# Altium PCB ac_rc_unit_VER1.PcbDoc (part 2 of 2)
Units mm, origin at the board's own origin, x right, y up, seen from the top; angles counter-clockwise.
Board outline 100 x 100 mm, 4 copper layers (L1, L2, L3, L4), stack 1.525 mm thick; 123 components, 90 nets, 447 pads, 211 vias.
Unrouted connection lines stored in the file: 92.
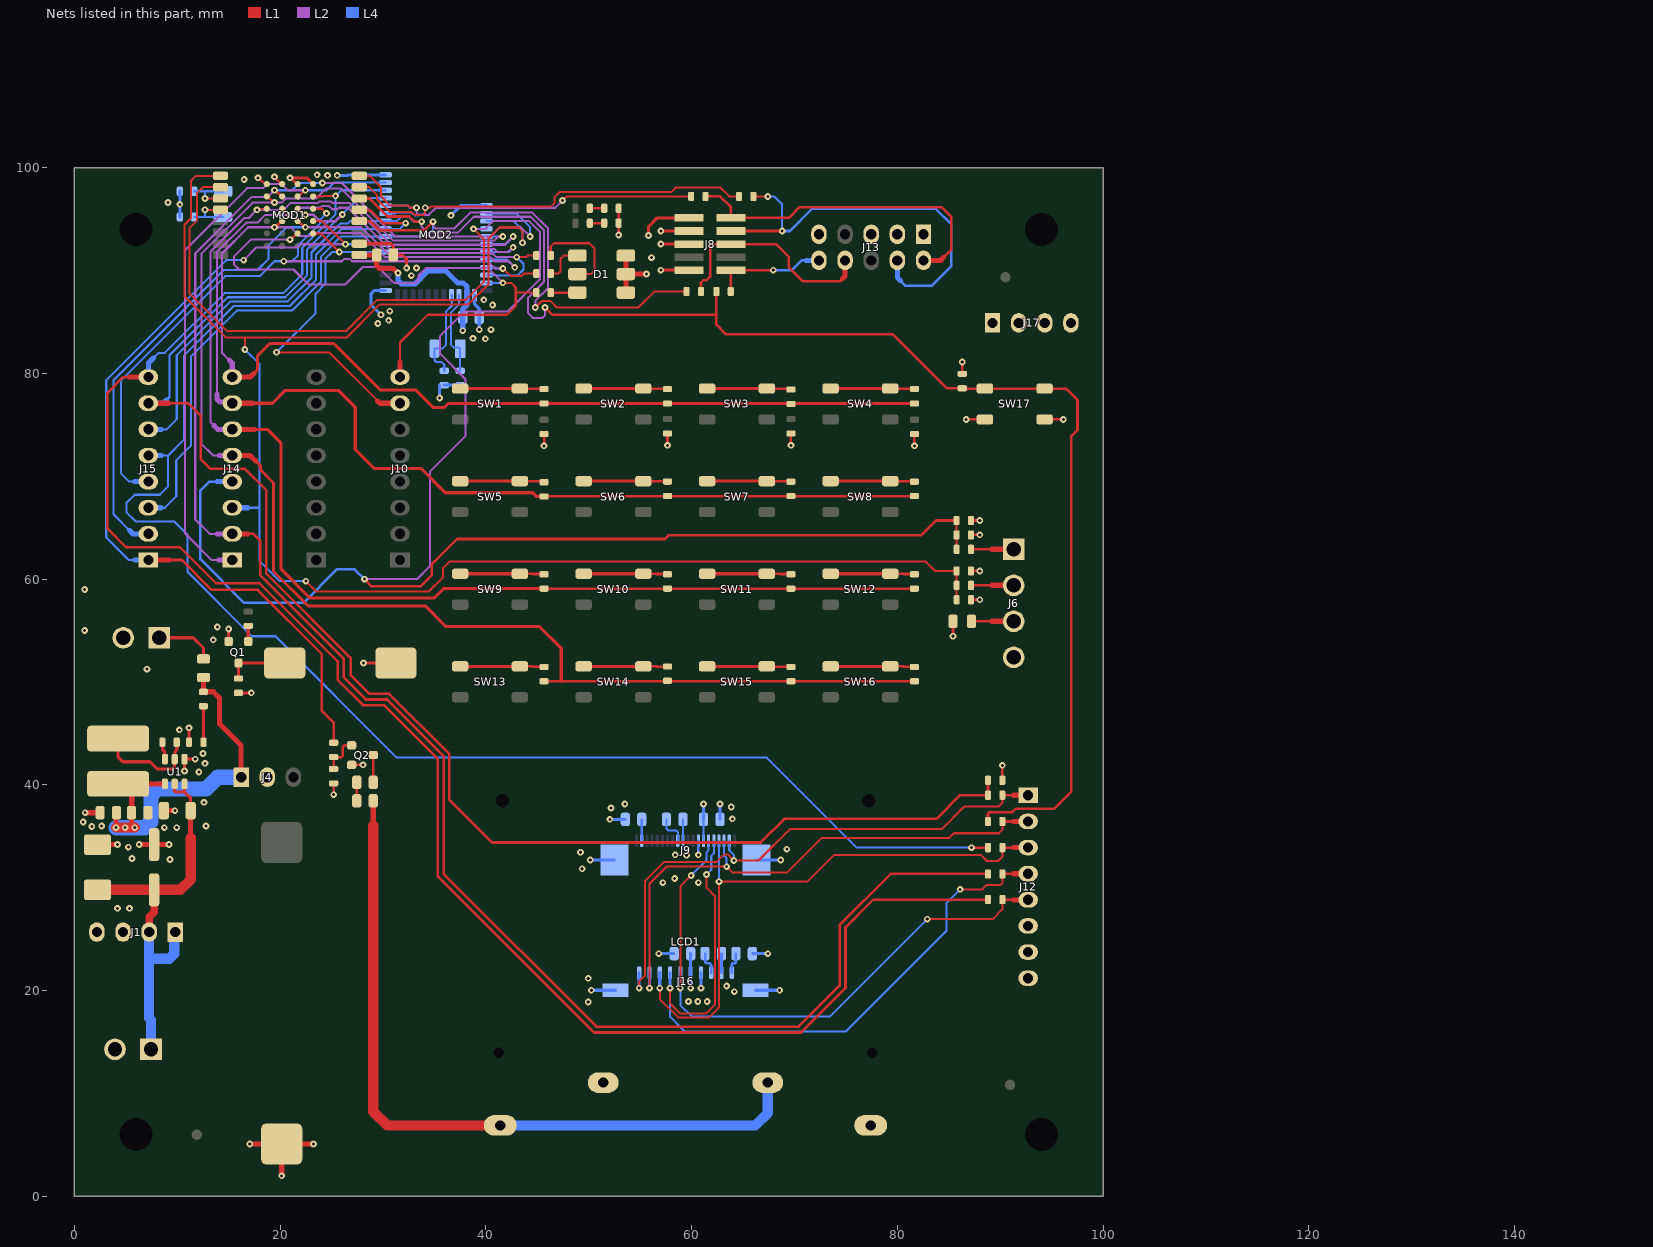
[diagram p4: the nets of this part, all layers, seen from the top]

## Via types
v1: diameter 0.65, hole 0.3, L1 to L4, 211 vias

## Nets (pads, with @x,y where several pads share a name; then routed paths per layer and width w, separated by ;. In a path a pad name is that pad's centre, name@x,y a point inside that pad or via, vN(x,y) a via of type N, cw(c..) or ccw(c..) an arc to the next point about the centre after c; other vN are vias at no path point) (continued)
BLE_P0.14: J10.7 MOD1.D4 MOD2.11 | length 34.5
  L1 w0.2: v1(19.65,82.05) 24.75,82.05 29.474,77.326 ; MOD1.D4@23.2,93.6 23.95,93.6 v1(25.75,91.8)
  L1 w0.5: 29.474,77.326 29.7,77.1 J10.7@31.65,77.1
  L4 w0.2: v1(19.65,82.05) 23.45,85.85 23.45,87.75 24.4,88.7 24.4,91.15 25.05,91.8 v1(25.75,91.8) MOD2.11@30.25,91.8
BLE_P0.15/RGB_R: J10.8 MOD1.C4 MOD2.29 R1.1 | length 60.5
  L1 w0.2: 31.65,81.108 31.65,83 34.35,85.7 42.05,85.7 42.9,86.55 42.9,87.818 ; v1(41.65,88.8) 42.45,88.8 42.9,88.35 42.9,87.818 ; R1.1@44.9,87.85 42.932,87.85 42.9,87.818
  L1 w0.25: v1(20.95,93) MOD1.C4@21.7,93.6
  L1 w0.5: J10.8@31.65,79.64 31.65,81.108
  L2 w0.2: v1(20.95,93) 17.15,93 15.5,91.35 15.5,90.6 16,90.1 21.3,90.1 22.75,88.65 26.35,88.65 28.05,90.35 29.5,90.35 31.05,88.8 33.184,88.8 33.45,89.066 33.45,89.516 34.159,90.225 40.225,90.225 v1(41.65,88.8)
  L4 w0.2: MOD2.29@40.05,88.8 v1(41.65,88.8)
BLE_P0.16/LCD_BKL: J15.1 MOD1.D3 MOD2.10 R33.2 | length 86.7
  L1 w0.2: MOD1.D3@23.2,94.8 24.1,94.8 v1(26.35,92.55)
  L1 w0.25: 9.229,61.86 10.44,61.86 13.35,58.95 17.8,58.95 24.05,52.7 24.05,47.2 25.2,46.05 R33.2@25.2,44.1
  L1 w0.5: J15.1@7.2,61.86 9.229,61.86
  L2 w0.2: v1(16.45,91) 17.7,92.25 21.7,92.25 22,92.55 v1(26.35,92.55)
  L4 w0.2: 5.828,61.86 5.29,61.86 3.1,64.05 3.1,79.35 14.75,91 v1(16.45,91) ; v1(26.35,92.55) MOD2.10@30.25,92.55
  L4 w0.5: 5.828,61.86 J15.1@7.2,61.86
BLE_P0.17/RGB_G: J15.2 MOD1.C3 MOD2.30 R6.1 | length 72.8
  L1 w0.2: v1(43,91.3) 43.9,91.3 44.05,91.45 R6.1@44.9,91.45
  L1 w0.25: MOD1.C3@21.7,94.8 v1(22.45,94.2)
  L2 w0.2: v1(22.45,94.2) 27.9,94.2 30.4,91.7 40.6,91.7 41,91.3 v1(43,91.3)
  L4 w0.2: 5.386,64.714 3.8,66.3 3.8,79.35 14.5,90.05 17.8,90.05 18.85,91.1 18.85,92.4 20.65,94.2 v1(22.45,94.2) ; MOD2.30@40.05,89.55 41,89.55 41.05,89.5 43.05,89.5 43.65,90.1 43.65,90.65 v1(43,91.3)
  L4 w0.5: 5.386,64.714 5.7,64.4 J15.2@7.2,64.4
BLE_P0.18/SWO: J15.3 MOD1.12 MOD2.9 R17.1 | length 93.1
  L1 w0.2: v1(44.8,86.4) 45.45,87.05 46.25,87.05 46.9,86.4 54.8,86.4 56.35,87.95 R17.1@59.5,87.95
  L1 w0.25: MOD1.12@27.7,94.8 28.75,94.8 29.65,93.9 34,93.9 v1(34.85,94.75)
  L2 w0.2: v1(34.85,94.75) 34.892,94.708 34.892,94.308 35.1,94.1 36.95,94.1 38.475,95.625 44.506,95.625 46.05,94.081 46.05,88.3 44.8,87.05 v1(44.8,86.4)
  L4 w0.2: 8.395,66.94 8.79,66.94 9.9,68.05 9.9,71.55 11.35,73 11.35,81.65 15.8,86.1 21.15,86.1 23.95,88.9 23.95,91.35 25.9,93.3 MOD2.9@30.25,93.3 34.25,93.3 34.85,93.9 v1(34.85,94.75)
  L4 w0.5: J15.3@7.2,66.94 8.395,66.94
BLE_P0.19/RGB_B: J15.4 MOD1.D2 MOD2.31 R7.1 | length 68
  L1 w0.2: MOD1.D2@23.2,96 24.05,96 v1(24.5,95.55) ; v1(41.65,90.2) 42.404,89.446 43.446,89.446 43.7,89.7 R7.1@44.9,89.7
  L2 w0.2: v1(20.35,90.9) 26,90.9 26.2,91.1 26.8,91.1 27,90.9 40.15,90.9 40.85,90.2 v1(41.65,90.2)
  L4 w0.2: 5.842,69.48 5.32,69.48 4.55,70.25 4.55,79.35 14.65,89.45 18,89.45 19.45,90.9 v1(20.35,90.9) 21.15,90.9 21.75,91.5 21.75,92.45 23.9,94.6 23.9,94.95 v1(24.5,95.55) ; MOD2.31@40.05,90.3 40.9,90.3 41,90.2 v1(41.65,90.2)
  L4 w0.5: 5.842,69.48 J15.4@7.2,69.48
BLE_P0.20/LCD_A0: J15.5 MOD1.13 MOD2.8 R24.1 | length 153.6
  L1 w0.25: MOD1.13@27.7,95.9 27.729,95.871 28.729,95.871 30,94.6 v1(32.2,94.6) ; v1(87.2,33.9) R24.1@88.8,33.9
  L4 w0.2: 8.483,72.02 9.12,72.02 ; v1(32.2,94.6) 31.65,94.05 MOD2.8@30.25,94.05 26,94.05 23.5,91.55 23.5,89.1 20.95,86.55 15.5,86.55 10.65,81.7 10.65,73.55 9.12,72.02 ; v1(87.2,33.9) 76.05,33.9 67.3,42.65 31.35,42.65 19.55,54.45 17.25,54.45 11,60.7 11,64.3 9.7,65.6 5.95,65.6 5.05,66.5 5.05,67.4 5.85,68.2 8.3,68.2 9.12,69.02 9.12,72.02
  L4 w0.5: J15.5@7.2,72.02 8.483,72.02
BLE_P0.21/nRESET: J15.6 MOD1.14 MOD2.7 R18.1 R23.1 R30.1 SW17.3 SW17.4 | length 178.9
  L1 w0.25: MOD1.14@27.7,97 28.7,97 30.45,95.25 32.55,95.25 33.05,94.75 v1(33.75,94.75) ; v1(45.75,86.4) 46.469,85.681 62.4,85.681 ; R18.1@62.4,87.95 62.4,85.681 ; R23.1@88.8,36.45 88.8,37.2 88.95,37.35 91.15,37.35 91.5,37.7 95.25,37.7 96.9,39.35 96.9,73.9 97.5,74.5 97.5,77.4 96.376,78.524 SW17.3@94.3,78.524 SW17.4@88.5,78.524 86.326,78.524 R30.1@86.3,78.55 84.8,78.55 79.55,83.8 63.35,83.8 62.4,84.75 62.4,85.681
  L2 w0.2: v1(33.75,94.75) 33.75,94.25 34.3,93.7 37.3,93.7 38.825,95.225 44.341,95.225 45.65,93.916 45.65,88.9 44.1,87.35 44.1,85.85 44.55,85.4 45.5,85.4 45.75,85.65 v1(45.75,86.4)
  L4 w0.2: 8.451,74.56 8.96,74.56 9.95,75.55 9.95,81.75 15.2,87 20.75,87 23.05,89.3 23.05,91.75 25.85,94.55 26.55,94.55 26.8,94.8 MOD2.7@30.25,94.8 31.35,94.8 31.775,95.225 32.525,95.225 33,94.75 v1(33.75,94.75)
  L4 w0.5: J15.6@7.2,74.56 8.451,74.56
BLE_P0.22/LCD_nCS: J15.7 MOD1.C2 MOD2.4 R20.1 R21.1 | length 153.6
  L1 w0.25: 9.125,77.1 11.05,77.1 12.3,75.85 12.3,71.65 13.2,70.75 16.55,70.75 18.65,68.65 18.65,60.55 26.85,52.35 26.85,50.7 28.7,48.85 30.6,48.85 36.45,43 36.45,38.55 40.6,34.4 66.7,34.4 69,36.7 83.8,36.7 86.1,39 R21.1@88.8,39 R20.1@88.8,40.45 ; MOD1.C2@21.7,96 v1(22.45,95.4)
  L1 w0.5: J15.7@7.2,77.1 9.125,77.1
  L2 w0.25: v1(22.45,95.4) 23.25,95.4 23.85,94.8 25.4,94.8 v1(26.05,95.45)
  L4 w0.2: 8.95,77.4 9.25,77.7 9.25,81.75 14.9,87.4 20.5,87.4 22.6,89.5 22.6,92 v1(26.05,95.45) 27.65,97.05 MOD2.4@30.25,97.05
  L4 w0.5: J15.7@7.2,77.1 8.65,77.1 8.95,77.4
BLE_P0.23/MOSI: J15.8 MOD1.D1 MOD2.3 R26.1 | length 176.4
  L1 w0.2: MOD1.D1@23.2,97.2 24.15,97.2 24.2,97.25 v1(25.4,97.25)
  L1 w0.25: 5.328,79.64 4.74,79.64 3.2,78.1 3.2,64.9 5,63.1 10.25,63.1 13.75,59.6 18,59.6 25.6,52 25.6,50.2 28.05,47.75 30.1,47.75 35.3,42.55 35.3,31.15 50.516,15.934 70.634,15.934 74.95,20.25 74.95,26.15 77.65,28.85 R26.1@88.8,28.85
  L1 w0.5: 5.328,79.64 J15.8@7.2,79.64
  L4 w0.2: 7.7,81.5 8.2,82 8.8,82 14.6,87.8 20.3,87.8 22.15,89.65 22.15,92.2 25.4,95.45 v1(25.4,97.25) 25.95,97.8 MOD2.3@30.25,97.8
  L4 w0.5: J15.8@7.2,79.64 7.2,81 7.7,81.5
BLE_P0.24/MISO: J14.1 MOD1.C1 MOD2.2 | length 56.9
  L1 w0.2: MOD1.C1@21.7,97.2 v1(22.45,97.8)
  L2 w0.2: 14,61.85 13.35,61.85 10.75,64.45 10.75,91.95 16.8,98 18.35,98 18.775,98.425 20.125,98.425 20.75,97.8 v1(22.45,97.8)
  L2 w0.5: 14,61.85 15.34,61.85 J14.1@15.35,61.86
  L4 w0.2: v1(22.45,97.8) 24.5,97.8 25.25,98.55 MOD2.2@30.25,98.55
BLE_P0.25/SCLK: J14.2 MOD1.B1 MOD2.38 R25.1 | length 187.6
  L1 w0.25: 16.892,64.4 17.4,64.4 18.05,63.75 18.05,60.4 26.2,52.25 26.2,50.45 28.35,48.3 30.4,48.3 35.9,42.8 35.9,31.35 50.75,16.5 70.4,16.5 74.384,20.484 74.384,26.384 79.35,31.35 R25.1@88.8,31.35 ; v1(19.45,97.8) MOD1.B1@20.2,97.2
  L1 w0.5: J14.2@15.35,64.4 16.892,64.4
  L2 w0.2: 13.85,64.4 13.15,64.4 11.75,65.8 11.75,91.65 17.25,97.15 18.8,97.15 v1(19.45,97.8) ; v1(24.1,98.5) 26,98.5 31.2,93.3 40.45,93.3 41.35,94.2 43.4,94.2 v1(44.3,93.3)
  L2 w0.5: 13.85,64.4 J14.2@15.35,64.4
  L4 w0.2: v1(19.45,97.8) 21.15,97.8 21.85,98.5 v1(24.1,98.5) ; MOD2.38@40.05,95.55 42.95,95.55 44.3,94.2 v1(44.3,93.3)
BLE_P0.26/SDA: C9.2 J14.3 MOD1.1 MOD2.37 R11.1 R13.2 | length 161.3
  L1 w0.2: MOD1.1@14.2,99.2 11.8,99.2 11.35,98.75 11.35,95.1 10.7,94.45 10.7,87.5 14.7,83.5 16.597,83.5 ; v1(16.575,82.325) 16.575,83.478 16.597,83.5 ; v1(22.5,59.8) 23.5,58.8 34.45,58.8 35.85,60.2 35.85,61.1 36.45,61.7 82.75,61.7 83.65,60.8 C9.2@85.75,60.8 R13.2@85.75,59.4 R11.1@85.75,58 ; v1(43.55,92.7) 43.55,93.8 43.15,94.2 41.35,94.2 40.25,93.1 40.25,88.65 38.3,86.7 29.7,86.7 26.5,83.5 16.597,83.5
  L4 w0.2: v1(16.575,82.325) 18,80.9 18,66.94 ; 16.883,66.94 18,66.94 ; v1(22.5,59.8) 19.95,59.8 18,61.75 18,66.94 ; MOD2.37@40.05,94.8 42.7,94.8 43.55,93.95 v1(43.55,92.7)
  L4 w0.5: J14.3@15.35,66.94 16.883,66.94
BLE_P0.27/SCL: C8.2 J14.4 MOD1.2 MOD2.36 R10.1 R12.2 | length 200.5
  L1 w0.2: MOD1.2@14.2,98.1 12.5,98.1 11.9,97.5 11.9,94.85 11.2,94.15 11.2,87.75 14.85,84.1 26.4,84.1 29.45,87.15 38.05,87.15 39.8,88.9 39.8,93.05 v1(38.8,94.05) ; R12.2@85.75,62.9 C8.2@85.75,64.3 R10.1@85.75,65.7
  L1 w0.25: v1(28.2,60) 28.9,59.3 33.65,59.3 34.75,60.4 34.75,61.45 37.2,63.9 57.4,63.9 57.75,64.25 82.3,64.25 83.75,65.7 R10.1@85.75,65.7
  L2 w0.2: v1(28.2,60) 33.3,60 34.55,61.25 34.55,70.45 38,73.9 38,79.45 35.55,81.9 35.55,83.65 37.9,86 42.1,86 45.25,89.15 45.25,93.75 44.175,94.825 40.725,94.825 39.95,94.05 v1(38.8,94.05)
  L4 w0.2: v1(38.8,94.05) 39.45,94.05 MOD2.36@40.05,94.05
  L4 w0.25: 13.871,69.48 13.13,69.48 12.25,68.6 12.25,61.95 16.5,57.7 22.25,57.7 25.5,60.95 27.25,60.95 v1(28.2,60)
  L4 w0.5: 13.871,69.48 J14.4@15.35,69.48
BLE_P0.28/ROW0: D16.1 D17.1 D18.1 D19.1 J14.5 MOD1.A1 MOD2.35 | length 142.9
  L1 w0.25: MOD1.A1@18.7,97.2 v1(19.45,96.6) ; D16.1@45.65,50.074 47.319,50.074 D18.1@69.65,50.074 D19.1@81.65,50.074
  L1 w0.3: 17.59,71.51 18.1,71 18.1,70.6 19.35,69.35 19.35,60.75 22.7,57.4 34.1,57.4 36.1,55.4 45.2,55.4 47.319,53.281 47.319,50.074
  L1 w0.5: J14.5@15.35,72.02 17.08,72.02 17.59,71.51
  L2 w0.2: 14.066,72.02 13.48,72.02 12.35,73.15 12.35,91.616 17.334,96.6 v1(19.45,96.6) 20.15,96.6 20.55,97 23.5,97 24.45,97.95 25.95,97.95 31,92.9 40.8,92.9 41.2,93.3 v1(41.65,93.3)
  L2 w0.5: 14.066,72.02 J14.5@15.35,72.02
  L4 w0.2: MOD2.35@40.05,93.3 v1(41.65,93.3)
BLE_P0.29/ROW1: D12.1 D13.1 D14.1 D15.1 J14.6 MOD1.A2 MOD2.34 | length 137
  L1 w0.25: v1(17.745,95.894) MOD1.A2@18.7,96 ; D12.1@45.65,59.074 D13.1@57.65,59.074 D14.1@69.65,59.074 D15.1@81.65,59.074
  L1 w0.3: 17.491,74.56 18.74,74.56 20.1,73.2 20.1,60.95 22.9,58.15 34.95,58.15 35.874,59.074 D12.1@45.65,59.074
  L1 w0.5: J14.6@15.35,74.56 17.491,74.56
  L2 w0.2: 13.595,74.905 13.25,75.25 13.25,91.85 16.5,95.1 16.951,95.1 v1(17.745,95.894) 17.751,95.9 20.35,95.9 21,96.55 23.65,96.55 23.8,96.7 24.95,96.7 25.1,96.55 26.75,96.55 30.8,92.5 41.85,92.5 v1(42.65,93.3)
  L2 w0.5: 13.595,74.905 13.94,74.56 J14.6@15.35,74.56
  L4 w0.2: MOD2.34@40.05,92.55 41.9,92.55 v1(42.65,93.3)
BLE_P0.30/ROW2: D8.1 D9.1 D10.1 D11.1 J14.7 MOD1.B2 MOD2.33 | length 126
  L1 w0.25: MOD1.B2@20.2,96 v1(20.95,95.4) ; D8.1@45.65,68.024 45.7,68.074 D9.1@57.65,68.074 D10.1@69.65,68.074 D11.1@81.65,68.074
  L1 w0.3: 17.3,77.1 19.25,77.1 20.5,78.35 25.65,78.35 27.3,76.7 27.3,72.6 29.15,70.75 33.7,70.75 36.05,68.4 44.55,68.4 44.926,68.024 D8.1@45.65,68.024
  L1 w0.5: J14.7@15.35,77.1 17.3,77.1
  L2 w0.2: 13.85,77.976 13.85,91.8 16.7,94.65 17.8,94.65 18.55,95.4 v1(20.95,95.4) 21.65,96.1 23.9,96.1 24.05,96.25 24.75,96.25 25.05,95.95 25.55,95.95 25.7,96.1 26.6,96.1 30.6,92.1 40.8,92.1 41.1,91.8 42.2,91.8 v1(42.65,92.25)
  L2 w0.5: 13.85,77.976 13.85,77.5 14.139,77.211 15.239,77.211 J14.7@15.35,77.1
  L4 w0.2: MOD2.33@40.05,91.8 42.2,91.8 v1(42.65,92.25)
BLE_P0.31/ROW3: D2.1 D3.1 D4.1 D5.1 J14.8 MOD1.B3 MOD2.32 | length 119.2
  L1 w0.25: v1(19.45,94.2) MOD1.B3@20.2,94.8 ; D2.1@45.65,77.074 45.8,77.074 45.953,77.226 45.953,77.094 45.973,77.074 D3.1@57.65,77.074 D5.1@81.65,77.074
  L1 w0.3: 17.445,79.995 17.8,80.35 17.8,81.7 19,82.9 25.2,82.9 29.7,78.4 33.15,78.4 34.85,76.7 35.976,76.7 36.35,77.074 D2.1@45.65,77.074
  L1 w0.5: J14.8@15.35,79.64 17.09,79.64 17.445,79.995
  L2 w0.2: 15.071,81.279 14.35,82 14.35,91.65 16.9,94.2 v1(19.45,94.2) 21.05,94.2 21.9,93.35 22.9,93.35 23.2,93.65 27.85,93.65 30.2,91.3 40.4,91.3 40.8,90.9 42.2,90.9 v1(42.8,90.3)
  L2 w0.5: 15.071,81.279 15.35,81 J14.8@15.35,79.64
  L4 w0.2: MOD2.32@40.05,91.05 42.05,91.05 v1(42.8,90.3)
GND: BAT1.1 C1.1 C3.1 C4.1 C5.1 C6.2 C7.2 C8.1 C9.1 C11.2 C12.1 C13.1 C14.1 C16.2 C17.1 C18.1 C19.1 D21.2 J1.3 J1.4 J2.2 J5.2 J6.4 J8.3 J8.5 J8.9 J9.0 J9.8 J12.6 J12.8 J13.3 J13.5 J13.9 J16.0 J16.7 J17.3 J17.4 MOD1.10 MOD1.A0 MOD1.B0 MOD1.C0 MOD1.D0 MOD2.1 MOD2.16 MOD2.27 MOD2.39 Q1.2 Q2.2 R14.2 SW17.1 SW17.2 U1.4 | length 87.7
  L1 w0.25: v1(17.85,99) MOD1.A0@18.6,98.4 ; v1@19.45,99 MOD1.B0@20.2,98.4 ; v1(20.95,99) MOD1.C0@21.7,98.4 ; Q2.2@26.95,41.95 v1(28.05,41.95) ; v1(86.676,75.524) SW17.2@88.5,75.524 ; C9.1@87.15,60.8 v1(88,60.8) ; C8.1@87.15,64.3 v1(88,64.3) ; SW17.1@94.3,75.524 v1(96.124,75.524)
  L1 w0.3: v1(10.7,41.35) U1.4@10.7,42.5 v1(11.75,42.5) ; R14.2@11.15,44.15 v1(11.15,45.55) ; Q1.2@15,53.95 v1(15,55.15) ; v1(20.95,99) 22.6,99 MOD1.D0@23.2,98.4 ; MOD1.10@27.75,92.6 30.75,92.6 31,92.35 C1.1@31,91.5 31.9,91.5 32.3,91.1 v1(32.3,90.25) ; v1@57,90.04 57.01,90.03 J8.9@59.75,90.03 ; v1@57,92.58 57.01,92.57 J8.5@59.75,92.57 ; v1@57,93.85 57.01,93.84 J8.3@59.75,93.84
  L1 w0.5: v1(1.05,37.3) C7.2@2.5,37.3 ; D21.2@2.25,34.2 v1(4.2,34.2) ; v1(6.3,34.2) C4.1@7.75,34.2 v1(9.2,34.2) ; C5.1@8.7,37.5 v1(9.767,37.5) ; v1(17.05,5.1) BAT1.1@20.15,5.1 ; v1(20.15,2) BAT1.1@20.15,5.1 ; v1(23.25,5.1) BAT1.1@20.15,5.1
  L4 w0.25: v1(60.65,33.2) J9.8@60.65,34.565
  L4 w0.3: C13.1@10.25,95.2 10.25,95.65 C12.1@10.25,97.7 ; v1(25.55,99.25) 26.607,99.25 26.65,99.293 MOD2.1@30.25,99.293 ; v1(29.8,85.7) 28.85,86.65 28.85,87.75 29.15,88.05 MOD2.16@30.25,88.05 ; v1(35.5,77.6) 35.5,78.85 ; C19.1@35.95,78.85 C18.1@37.5,78.85 ; v1@36.613,95.363 37.55,96.3 MOD2.39@40.05,96.3 ; MOD2.27@38.9,87.6 38.9,86.726 39.35,86.276 C3.1@39.35,85.45 v1(39.35,84.25) ; v1(50.145,32.705) J9.0@52.5,32.705 ; v1(50.245,20.04) J16.0@52.6,20.04 ; v1(52.05,36.65) C11.2@53.55,36.65 ; v1(56.8,23.6) C17.1@58.3,23.6 ; v1(60.9,20.25) J16.7@60.9,21.75 ; C14.1@62.75,36.65 v1(62.75,38.15) ; C16.2@65.9,23.6 v1(67.4,23.6) ; J16.0@66.2,20.04 v1(68.555,20.04) ; J9.0@66.3,32.705 v1(68.655,32.705)
  other v1: 49.95,18.9 59.7,18.95 60.6,18.95 61.5,18.95 64.15,19.9 63.4,20.45 49.95,21.2 4.2,28 5.35,28 57.2,30.5 60.65,30.5 58.35,30.9 49.35,31.85 9.3,32.75 5.6,32.85 59.5,33.15 58.4,33.2 49.2,33.45 69.25,33.75 5.25,33.95 8.75,35.85 9.95,35.85 1.7,35.95 2.65,36 12.8,36 0.85,36.4 63.95,36.7 52.15,37.75 63.85,37.85 53.5,38.15 12.6,38.3 12.1,41.25 12.7,42.1 12.5,43.05 10.2,45.35 7.05,51.25 13.5,54.1 1,55 13.9,55.35 1,59 39.95,83.35 38.75,83.4 40.5,84.25 29.5,84.85 30.55,85.15 30.65,86.05 40.65,86.65 39.8,87.15 32.75,89.5 57.005,90.035 33.25,90.25 56.1,91.25 57.005,92.575 57.005,93.845 36.613,95.355 10.25,96.426 9.1,96.6 16.5,98.85 19.45,99.1 24.6,99.25 23.6,99.3
LCD_A0: J9.4 J12.3 J16.3 R24.2 | length 58.1
  L1 w0.2: v1(56.9,20.25) 56.9,19.184 58.684,17.4 61.7,17.4 62.65,18.35 v1(62.65,30.601) 71.251,30.601 73.85,33.2 88.1,33.2 88.7,32.6 89.8,32.6 90.2,33 R24.2@90.2,33.9
  L1 w0.25: R24.2@90.2,33.9 91.3,33.9
  L1 w0.5: 91.3,33.9 91.31,33.91 J12.3@92.7,33.91
  L4 w0.2: v1(62.65,30.601) J9.4@62.65,34.565
  L4 w0.3: v1(56.9,20.25) J16.3@56.9,21.75
LCD_nCS: J9.2 J12.1 J16.1 R21.2 | length 56
  L1 w0.2: v1(54.9,20.25) 54.9,20.9 55.45,21.45 55.45,30.65 57.3,32.5 62.4,32.5 63.15,33.25 63.5,33.25 v1(64.1,32.65) 66.5,32.65 69.55,35.7 84.3,35.7 86.5,37.9 89.85,37.9 90.2,38.25 R21.2@90.2,39 90.22,38.98 R21.2@90.317,38.883
  L1 w0.25: R21.2@90.22,38.98 91.3,38.98
  L1 w0.5: 91.3,38.98 91.31,38.99 J12.1@92.7,38.99
  L4 w0.2: J9.2@63.65,34.565 63.65,33.65 64.1,33.2 v1(64.1,32.65)
  L4 w0.3: v1(54.9,20.25) J16.1@54.9,21.75
LCD_nRES: J9.3 J12.2 J16.2 R23.2 | length 54.5
  L1 w0.2: v1(55.9,20.25) 55.9,30.4 57.55,32.05 v1(63.4,32.05) 63.95,31.5 69.3,31.5 72.65,34.85 85.05,34.85 85.5,35.3 89.85,35.3 90.2,35.65 90.2,36.44 R23.2@90.2,36.45
  L1 w0.25: R23.2@90.2,36.44 91.3,36.44
  L1 w0.5: 91.3,36.44 91.31,36.45 J12.2@92.7,36.45
  L4 w0.2: J9.3@63.15,34.565 63.15,33.1 63.4,32.85 v1(63.4,32.05)
  L4 w0.3: v1(55.9,20.25) J16.2@55.9,21.75
LCD_SCL: J9.5 J12.4 J16.4 R25.2 | length 71.3
  L1 w0.2: v1(57.9,20.25) 57.9,18.75 58.85,17.8 61.4,17.8 62.25,18.65 62.25,29.2 61.45,30 v1(61.45,31.3) ; v1(86.1,29.85) 88.25,29.85 88.65,30.25 90,30.25 90.2,30.45 R25.2@90.2,31.35
  L1 w0.25: R25.2@90.2,31.36 91.3,31.36
  L1 w0.5: 91.3,31.36 91.31,31.37 J12.4@92.7,31.37
  L4 w0.2: v1(57.9,20.25) 57.9,17.45 59.3,16.05 75,16.05 84.75,25.8 84.75,28.5 v1(86.1,29.85) ; v1(61.45,31.3) 61.9,31.75 61.9,33.1 62.15,33.35 J9.5@62.15,34.565
  L4 w0.3: v1(57.9,20.25) J16.4@57.9,21.75
LCD_SDA: J9.6 J12.5 J16.5 R26.2 | length 58.1
  L1 w0.2: v1(58.9,20.25) 58.9,30.15 v1(59.95,31.2) ; v1(82.9,26.95) 89.25,26.95 90.2,27.9 90.2,28.82 R26.2@90.2,28.85
  L1 w0.25: R26.2@90.2,28.82 91.3,28.82
  L1 w0.5: 91.3,28.82 91.31,28.83 J12.5@92.7,28.83
  L4 w0.2: v1(58.9,20.25) 58.9,18.6 60,17.5 73.45,17.5 v1(82.9,26.95) ; v1(59.95,31.2) 61.45,32.7 61.45,33.45 61.65,33.65 J9.6@61.65,34.565
  L4 w0.3: v1(58.9,20.25) J16.5@58.9,21.75
NetBUZ1_1: BUZ1.1 D22.2 Q1.3 | length 6
  L1 w0.3: D22.2@15.95,50.35 Q1.3@15.95,51.85 BUZ1.1@20.45,51.85
NetC2_1: C2.1 L1.1 U1.5 | length 10.3
  L1 w0.3: L1.1@4.25,44.5 4.25,42.7 4.7,42.25 7.35,42.25 8.05,41.55 9.55,41.55 9.75,41.75 U1.5@9.75,42.5 9.774,42.524 9.774,43.224 9.95,43.4 C2.1@9.95,44.15
NetC2_2: C2.2 U1.6 | length 1.8
  L1 w0.3: C2.2@8.55,44.15 8.55,43.45 8.776,43.224 8.776,42.524 U1.6@8.8,42.5
NetC10_1: C10.1 J9.12 | length 3
  L4 w0.2: C10.1@57.55,36.65 57.55,35.75 57.75,35.55 58.5,35.55 58.65,35.4 J9.12@58.65,34.565
NetC10_2: C10.2 J9.11 | length 2.1
  L4 w0.2: J9.11@59.15,34.565 59.15,35.165 C10.2@59.15,36.65
NetC11_1: C11.1 J9.19 | length 2.1
  L4 w0.2: J9.19@55.15,34.565 C11.1@55.15,36.65
NetC15_1: C15.1 J16.8 | length 2.3
  L4 w0.25: C15.1@61.3,23.6 61.3,22.8 61.45,22.65 61.754,22.65 61.891,22.513 61.891,21.759 J16.8@61.9,21.75
NetC15_2: C15.2 J16.9 | length 1.9
  L4 w0.25: J16.9@62.9,21.75 C15.2@62.9,23.6
NetC16_1: C16.1 J16.10 | length 2.1
  L4 w0.25: J16.10@63.9,21.75 63.9,22.55 64,22.65 64.2,22.65 64.3,22.75 C16.1@64.3,23.6
NetD1_1: D1.1 R7.2 | length 4.1
  L1 w0.2: R7.2@46.3,89.7 47.05,89.7 47.25,89.9 47.25,91.15 47.55,91.45 D1.1@48.9,91.45
NetD1_2: D1.2 R6.2 | length 9.4
  L1 w0.2: R6.2@46.3,91.45 46.3,92.35 46.6,92.65 50.05,92.65 50.55,92.15 50.55,90 50.2,89.65 D1.2@48.9,89.65
NetD1_3: D1.3 R1.2 | length 2.6
  L1 w0.25: R1.2@46.3,87.85 D1.3@48.9,87.85
NetD2_2: D2.2 SW1.3 SW1.4 | length 8.2
  L1 w0.25: SW1.3@43.3,78.524 44.576,78.524 44.6,78.5 45.624,78.5 D2.2@45.65,78.474
  L1 w0.3: SW1.4@37.5,78.524 SW1.3@43.3,78.524
NetD3_2: D3.2 SW2.3 SW2.4 | length 8.2
  L1 w0.25: SW2.3@55.3,78.524 56.576,78.524 56.6,78.5 57.624,78.5 D3.2@57.65,78.474
  L1 w0.3: SW2.4@49.5,78.524 SW2.3@55.3,78.524
NetD4_2: D4.2 SW3.3 SW3.4 | length 8.2
  L1 w0.25: SW3.3@67.3,78.524 68.576,78.524 68.6,78.5 69.624,78.5 D4.2@69.65,78.474
  L1 w0.3: SW3.4@61.5,78.524 SW3.3@67.3,78.524
NetD5_2: D5.2 SW4.3 SW4.4 | length 8.2
  L1 w0.25: SW4.3@79.3,78.524 80.576,78.524 80.6,78.5 81.624,78.5 D5.2@81.65,78.474
  L1 w0.3: SW4.4@73.5,78.524 SW4.3@79.3,78.524
NetD6_1: D6.1 R8.1 | length 1.4
  L1 w0.25: R8.1@50.1,94.6 D6.1@51.5,94.6
NetD7_1: D7.1 R9.1 | length 1.4
  L1 w0.25: R9.1@50.1,96.05 D7.1@51.5,96.05
NetD8_2: D8.2 SW5.3 SW5.4 | length 8.2
  L1 w0.25: SW5.3@43.3,69.524 44.576,69.524 44.6,69.5 45.624,69.5 D8.2@45.65,69.474
  L1 w0.3: SW5.4@37.5,69.524 SW5.3@43.3,69.524
NetD9_2: D9.2 SW6.3 SW6.4 | length 8.2
  L1 w0.25: SW6.3@55.3,69.524 56.576,69.524 56.6,69.5 57.624,69.5 D9.2@57.65,69.474
  L1 w0.3: SW6.4@49.5,69.524 SW6.3@55.3,69.524
NetD10_2: D10.2 SW7.3 SW7.4 | length 8.2
  L1 w0.25: SW7.3@67.3,69.524 68.576,69.524 68.6,69.5 69.624,69.5 D10.2@69.65,69.474
  L1 w0.3: SW7.4@61.5,69.524 SW7.3@67.3,69.524
NetD11_2: D11.2 SW8.3 SW8.4 | length 8.2
  L1 w0.25: SW8.3@79.3,69.524 80.576,69.524 80.6,69.5 81.624,69.5 D11.2@81.65,69.474
  L1 w0.3: SW8.4@73.5,69.524 SW8.3@79.3,69.524
NetD12_2: D12.2 SW9.3 SW9.4 | length 8.2
  L1 w0.25: SW9.3@43.3,60.524 44.576,60.524 44.6,60.5 45.624,60.5 D12.2@45.65,60.474
  L1 w0.3: SW9.4@37.5,60.524 SW9.3@43.3,60.524
NetD13_2: D13.2 SW10.3 SW10.4 | length 8.2
  L1 w0.25: SW10.3@55.3,60.524 56.576,60.524 56.6,60.5 57.624,60.5 D13.2@57.65,60.474
  L1 w0.3: SW10.4@49.5,60.524 SW10.3@55.3,60.524
NetD14_2: D14.2 SW11.3 SW11.4 | length 8.2
  L1 w0.25: SW11.3@67.3,60.524 68.576,60.524 68.6,60.5 69.624,60.5 D14.2@69.65,60.474
  L1 w0.3: SW11.4@61.5,60.524 SW11.3@67.3,60.524
NetD15_2: D15.2 SW12.3 SW12.4 | length 8.2
  L1 w0.25: SW12.3@79.3,60.524 80.576,60.524 80.6,60.5 81.624,60.5 D15.2@81.65,60.474
  L1 w0.3: SW12.4@73.5,60.524 SW12.3@79.3,60.524
NetD16_2: D16.2 SW13.3 SW13.4 | length 8.2
  L1 w0.25: SW13.3@43.3,51.524 44.576,51.524 44.6,51.5 45.624,51.5 D16.2@45.65,51.474
  L1 w0.3: SW13.4@37.5,51.524 SW13.3@43.3,51.524
NetD17_2: D17.2 SW14.3 SW14.4 | length 8.2
  L1 w0.25: SW14.3@55.3,51.524 56.576,51.524 56.6,51.5 57.624,51.5 D17.2@57.65,51.474
  L1 w0.3: SW14.4@49.5,51.524 SW14.3@55.3,51.524
NetD18_2: D18.2 SW15.3 SW15.4 | length 8.2
  L1 w0.25: SW15.3@67.3,51.524 67.324,51.5 69.624,51.5 D18.2@69.65,51.474
  L1 w0.3: SW15.4@61.5,51.524 SW15.3@67.3,51.524
NetD19_2: D19.2 SW16.3 SW16.4 | length 8.2
  L1 w0.25: SW16.3@79.3,51.524 80.576,51.524 80.6,51.5 81.624,51.5 D19.2@81.65,51.474
  L1 w0.3: SW16.4@73.5,51.524 SW16.3@79.3,51.524
NetD20_1: D20.1 R14.1 | length 3.5
  L1 w0.3: R14.1@12.55,44.15 D20.1@12.55,47.65
NetFS1_2: FS1.2 J5.1 | length 5.8
  L1 w0.3: J5.1@8.25,54.3 11.55,54.3 12.55,53.3 FS1.2@12.55,52.25
NetFS2_2: FS2.2 J6.3 | length 4.2
  L1 w0.25: FS2.2@87.15,55.9 89.2,55.9
  L1 w0.5: 89.2,55.9 J6.3@91.3,55.9
NetJ6_1: J6.1 R12.1 | length 4.2
  L1 w0.25: R12.1@87.15,62.9 89.2,62.9
  L1 w0.5: 89.2,62.9 J6.1@91.3,62.9
NetJ6_2: J6.2 R13.1 | length 4.2
  L1 w0.25: R13.1@87.15,59.4 89.2,59.4
  L1 w0.5: 89.2,59.4 J6.2@91.3,59.4
NetJ8_2: J8.2 J13.2 R15.2 | length 32.5
  L1 w0.25: R15.2@61.35,97.2 62.75,97.2 63.8,96.15 63.8,95.124 J8.2@63.814,95.11 69.46,95.11 70.5,96.15 84.3,96.15 85.25,95.2 85.25,92.05 84.461,91.261
  L1 w0.5: J13.2@82.53,90.98 84.18,90.98 84.461,91.261
NetJ8_4: J8.4 J13.4 R16.2 | length 40.8
  L1 w0.2: R16.2@66,97.2 v1(67.4,97.2)
  L1 w0.25: J8.4@63.814,93.84 v1(68.79,93.84) ; R16.2@66,97.2 R16.2@66.021,97.179
  L4 w0.2: v1(67.4,97.2) 68,97.2 68.79,96.41 v1(68.79,93.84)
  L4 w0.25: v1(68.79,93.84) 69.54,93.84 71.7,96 83.7,96 85.25,94.45 85.25,90.45 83.3,88.5 80.8,88.5 80.27,89.03
  L4 w0.5: J13.4@79.99,90.98 79.99,89.31 80.27,89.03
NetJ8_6: J8.6 J13.8 R17.2 | length 22
  L1 w0.25: R17.2@60.9,87.95 60.9,88.8 61.15,89.05 61.45,89.05 61.8,89.4 61.8,92.4 61.97,92.57 J8.6@63.814,92.57 68.18,92.57 69.45,91.3 69.45,90.3 70.8,88.95 74.4,88.95 74.655,89.205
  L1 w0.5: 74.655,89.205 74.91,89.46 J13.8@74.91,90.98
NetJ8_10: J8.10 J13.10 R18.2 | length 11
  L1 w0.25: R18.2@63.8,87.95 63.8,88.4 63.814,88.414 J8.10@63.814,90.03 v1(67.93,90.03)
  L4 w0.25: v1(67.93,90.03) 69.73,90.03 70.68,90.98 71.124,90.98
  L4 w0.5: 71.124,90.98 J13.10@72.37,90.98
NetLCD1_K: LCD1.K LCD2.K R34.2 | length 72.6
  L1 w0.5: 29.05,36.046 R34.2@29.05,38.45
  L1 w1: 29.05,36.046 29.05,8.25 30.4,6.9 LCD2.K@41.4,6.9
  L4 w1: LCD2.K@41.4,6.9 66.2,6.9 67.4,8.1 LCD1.K@67.4,11.065
NetQ1_1: Q1.1 R27.1 | length 1.5
  L1 w0.3: Q1.1@16.9,53.95 R27.1@16.9,55.45
NetQ2_1: Q2.1 R31.1 R33.1 | length 3.9
  L1 w0.25: R31.1@25.2,41.55 R33.1@25.2,42.7 25.954,42.7 26.1,42.846 26.1,43.7 26.25,43.85 Q2.1@26.95,43.85
NetQ2_3: Q2.3 R29.2 | length 2.6
  L1 w0.25: R29.2@29.05,40.25 Q2.3@29.05,42.9
NetR29_1: R29.1 R34.1 | length 1.8
  L1 w0.25: R34.1@27.45,38.45 R29.1@27.45,40.25
P3V3: C6.1 C7.1 D20.2 FS1.1 J4.1 L1.2 U1.1 | length 40.2
  L1 w0.5: v1(4.05,35.85) 4.05,37.25 C7.1@4.1,37.3 ; L1.2@4.25,40.1 L1.2@4.679,40.1 ; v1(5.867,35.85) 5.838,35.879 5.55,35.879 C6.1@5.55,37.3 5.58,37.33 5.58,39.199 L1.2@4.679,40.1 ; U1.1@8.8,40.1 L1.2@4.679,40.1 ; FS1.1@12.55,50.45 D20.2@12.55,49.05 13.5,49.05 14.1,48.45 14.1,45.95 16.21,43.84 J4.1@16.21,40.75
  L1 w1: v1(4.05,35.85) v1(4.935,35.85) v1(5.867,35.85)
  L4 w1.5: v1(4.05,35.85) 6.864,35.85 7.45,36.436 7.45,38.95 8.1,39.6 12.8,39.6 13.95,40.75 J4.1@16.21,40.75
SWDCLK: MOD1.15 MOD2.6 R16.1 | length 44.9
  L1 w0.2: MOD1.15@27.7,98.1 28.65,98.1 29.4,97.35 29.4,96.95 30.65,95.7 32.75,95.7 33.05,95.4 33.9,95.4 34.1,95.6 v1(34.1,96.1) 34.117,96.117 34.567,96.117 34.65,96.2 46.3,96.2 46.65,96.55 46.65,97.1 47.2,97.65 58.05,97.65 58.45,98.05 62.8,98.05 63.65,97.2 R16.1@64.6,97.2
  L4 w0.2: MOD2.6@30.25,95.55 31.15,95.55 31.25,95.65 32.75,95.65 33.05,95.35 33.45,95.35 33.55,95.45 33.9,95.45 34.083,95.633 34.083,96.083 v1(34.1,96.1)
SWDIO: MOD1.16 MOD2.5 R15.1 | length 38.5
  L1 w0.2: MOD1.16@27.7,99.2 28.7,99.2 29.8,98.1 29.8,97.2 30.7,96.3 32.45,96.3 32.65,96.1 v1(33.25,96.1) ; v1(47.45,96.8) 47.85,97.2 R15.1@59.95,97.2
  L2 w0.2: v1(33.25,96.1) 33.25,95.6 33.45,95.4 34.45,95.4 35.15,96.1 46.75,96.1 v1(47.45,96.8)
  L4 w0.2: MOD2.5@30.25,96.3 32.4,96.3 32.6,96.1 v1(33.25,96.1)
VDD: BUZ1.2 C1.2 C3.2 C14.2 C17.2 D1.4 D1.5 D1.6 D6.2 D7.2 D22.1 FS2.1 J4.2 J8.1 J9.7 J12.7 J13.1 J16.6 J17.1 J17.2 LCD1.A LCD2.A MOD1.9 MOD2.26 R2.2 R3.2 R4.2 R5.2 R10.2 R11.2 R20.2 R30.2 R31.2 | length 54.3
  L1 w0.25: v1(25.2,39.05) R31.2@25.2,40.15 ; v1(28.1,51.85) BUZ1.2@31.25,51.85 ; v1(45.65,72.95) R2.2@45.65,74.1 ; v1(52.9,93.45) D6.2@52.9,94.6 D7.2@52.9,96.05 ; v1(57.65,73) R3.2@57.65,74.15 ; v1(69.65,73) R4.2@69.65,74.15 ; v1(81.65,72.95) R5.2@81.65,74.1 ; v1@85.4,54.45 FS2.1@85.4,55.9 ; R30.2@86.3,79.95 v1(86.3,81.1) ; R11.2@87.15,58 v1(88,58) ; R10.2@87.15,65.7 v1(88,65.7) ; R20.2@90.2,40.45 v1@90.2,41.9
  L1 w0.3: D22.1@15.95,48.95 v1(17.2,48.95) ; v1(55.8,93.4) 55.8,94.25 56.66,95.11 J8.1@59.75,95.11
  L1 w0.5: MOD1.9@27.7,91.5 C1.2@29.35,91.5 ; C1.2@29.374,91.476 29.374,90.476 29.65,90.2 31,90.2 v1(31.45,89.75) ; D1.4@53.6,87.85 D1.5@53.6,89.65 ; D1.6@53.6,91.45 D1.5@53.6,89.65 ; v1(55.6,89.65) D1.5@53.6,89.65
  L4 w0.2: J9.7@61.15,34.565 C14.2@61.15,36.65
  L4 w0.3: v1(59.9,20.25) J16.6@59.9,21.75 C17.2@59.9,23.6 ; C14.2@61.15,36.65 v1(61.15,38.15)
  L4 w0.5: v1(31.45,89.75) 31.45,89.05 31.8,88.7 33.1,88.7 34.35,89.95 36.1,89.95 37.25,88.8 37.8,88.8 38.15,88.45 MOD2.26@38.15,87.6 38.15,86.65 37.75,86.25 C3.2@37.75,85.45 v1(37.75,84.15)
  other v1: 90.197,41.903 85.403,54.447
VEXT: C4.2 C5.2 D21.1 J1.1 J1.2 J2.1 U1.2 U1.3 | length 41.1
  L1 w0.3: U1.2@9.75,40.1 9.75,39.4 9.85,39.3 10.7,39.3 ; U1.3@10.7,40.1 10.7,39.3 ; C5.2@11.3,37.5 11.3,38.7 10.7,39.3
  L1 w0.5: 11.3,34.848 C5.2@11.3,37.5
  L1 w0.75: J1.2@7.27,25.7 7.27,27.17 7.75,27.65 C4.2@7.75,29.8
  L1 w1: D21.1@2.25,29.8 C4.2@7.75,29.8 10.3,29.8 11.3,30.8 11.3,34.848
  L4 w1: J1.2@7.27,25.7 7.25,25.68 7.25,23.112 ; J2.1@7.45,14.5 7.45,17.15 7.25,17.35 7.25,23.112 ; J1.1@9.81,25.7 9.7,25.59 9.7,23.6 9.212,23.112 7.25,23.112
X32A1: C12.2 MOD1.3 X1.1 | length 5
  L1 w0.2: v1(12.7,97) MOD1.3@14.2,97
  L4 w0.2: C12.2@11.65,97.7 11.95,97.7 12.704,97.7 ; v1(12.7,97) 12.7,97.696 12.704,97.7 ; X1.1@14.45,97.7 12.704,97.7
X32A2: C18.2 MOD2.25 X2.1 | length 8.3
  L4 w0.2: MOD2.25@37.4,87.6 37.4,86.7 36.6,85.9 36.6,82.8 36.867,82.533 37.367,82.533 X2.1@37.5,82.4 37.5,81.5 C18.2@37.5,80.25
X32B1: C13.2 MOD1.4 X1.2 | length 5
  L1 w0.2: v1(12.7,95.9) MOD1.4@14.2,95.9
  L4 w0.2: C13.2@11.65,95.2 12.704,95.2 ; v1(12.7,95.9) 12.7,95.204 12.704,95.2 ; X1.2@14.45,95.2 12.704,95.2
X32B2: C19.2 MOD2.24 X2.2 | length 9.2
  L4 w0.2: C19.2@35.95,80.25 35.95,80.85 35.7,81.1 35.2,81.1 35,81.3 X2.2@35,82.4 35.75,82.4 36.1,82.75 36.1,86 36.7,86.6 36.7,87.55 MOD2.24@36.65,87.6
pads on no net: FID1.0 FID2.0 FID3.0 J8.7 J8.8 J9.1 J9.9 J9.10 J9.13 J9.14 J9.15 J9.16 J9.17 J9.18 J9.20 J11.1 J11.2 J13.6 J13.7 LCD1.MH
copper on no net:
  other v1: 57.1,24.65 67.1,24.7 58.15,25.1 65.85,25.1

## Polygon pours and split planes (outlines as drawn)
GND on L3 "L3 - GND" (solid, remove dead copper, pour order 30): 0,100 100,100 100,0 0,0
VDD on L2 "L2 - VDD" (solid, remove dead copper, pour order 28): 0,0 0,100 100,100 100,0
GND on L4 "L4 - GND" (solid, remove dead copper, pour order 32): 0,0 0,100 100,100 100,0
GND on L1 "L1 - GND" (solid, remove dead copper, pour order 26): 100,100 100,0 0,0 0,100

## Keep-outs
Keep-Out Layer:
  circle w0.05: c94,94 r2.1
  circle w0.05: c94,6 r2.1
  circle w0.05: c6,6 r2.1
  circle w0.05: c6,94 r2.1
  lines w0.2: 0,100 0,0 100,0 100,100 ; 2.4,100 102.4,100

## Other copper
L1:
  text "BLE AC+RC VER1" at 63.5,1.15 h1.5

## Silkscreen, mask and mechanical layers (free items; w line width, h text height)
Silkscreen [TOP]:
  circle w0.2: c94,94 r2.2
  circle w0.2: c94,94 r3.2
  circle w0.2: c94,6 r2.2
  circle w0.2: c94,6 r3.2
  circle w0.2: c6,6 r2.2
  circle w0.2: c6,6 r3.2
  circle w0.2: c6,94 r3.2
  circle w0.2: c6,94 r2.2
  region: 96.2,94 97.2,94 cw(c94,94) 94,90.8 94,91.8 ccw(c94,94)
  region: 91.8,94 90.8,94 cw(c94,94) 94,97.2 94,96.2 ccw(c94,94)
  region: 96.2,6 97.2,6 cw(c94,6) 94,2.8 94,3.8 ccw(c94,6)
  region: 91.8,6 90.8,6 cw(c94,6) 94,9.2 94,8.2 ccw(c94,6)
  region: 8.2,6 9.2,6 cw(c6,6) 6,2.8 6,3.8 ccw(c6,6)
  region: 3.8,6 2.8,6 cw(c6,6) 6,9.2 6,8.2 ccw(c6,6)
  region: 3.8,94 2.8,94 cw(c6,94) 6,97.2 6,96.2 ccw(c6,94)
  region: 8.2,94 9.2,94 cw(c6,94) 6,90.8 6,91.8 ccw(c6,94)
  lines w0.25: 31.1,43.6 87.7,43.6 ; 34.4,45.024 34.4,85.024 84.4,85.024 84.4,45.024 34.4,45.024
  text "LED2" at 53.3,94.8 h1
  text "LED1" at 53.15,93.35 h1
  text "VDD" at 87.8,80.6 h1.5
  text "0V" at 93.6,80.6 h1.5
  text "7" at 38.9,79.774 h3
  text "8" at 50.9,79.774 h3
  text "9" at 62.9,79.774 h3
  text "F" at 74.9,79.774 h3
  text "RESET" at 86.9,71.7 h3
  text "4" at 38.9,70.774 h3
  text "5" at 50.9,70.774 h3
  text "6" at 62.9,70.774 h3
  text "E" at 74.9,70.774 h3
  text "1" at 38.9,61.774 h3
  text "2" at 50.9,61.774 h3
  text "3" at 62.9,61.774 h3
  text "D" at 74.9,61.774 h3
  text "P23 / P22 / P21 / P20 / P19 / P18 / P17 / P16" at 0.75,60.6 h1.5
  text "P31 / P30 / P29 / P28 / P27 / P26 / P25 / P24" at 8.9,60.6 h1.5
  text "P07 / P06 / P05 / P04 / P03 / P02" at 17.05,60.6 h1.5
  text "P15 / P14 / P13 / P12 / P11 / P10 / P09 / P08" at 25.2,60.6 h1.5
  text "A" at 38.9,52.774 h3
  text "0" at 50.9,52.774 h3
  text "B" at 62.9,52.774 h3
  text "C" at 74.9,52.774 h3
  text "GND VDD SDA SCL" at 99.05,47.8 h1.2 r90
  text "0V" at 1.55,47.3 h1.5
  text "3V3" at 6.1,47.3 h1.5
  text "I2C" at 88.55,46.5 h3
  text "PWR SEL" at 13.3,42.75 h3
  text "3V3" at 13.7,36.75 h1.5
  text "BAT" at 19.35,36.75 h1.5
  text "0V" at 1,21.9 h1.5
  text "EXT" at 6.05,21.9 h1.5
  text "CS / RST / A0 / SCL / SDA / GND / VDD / GND" at 94.35,19.95 h1.5
  text "PWR" at 2.35,19.55 h3
  text "0V" at 1,17.1 h1.5
  text "EXT" at 6.05,17.1 h1.5
  text "BLE AC+RC VER1" at 32.35,1.1 h1.5
M01 BoardOutline:
  lines w0.1: 40.75,12.7 ccw(c41.25,12.7) 41.75,12.7 41.75,15.2 ccw(c41.25,15.2) 40.75,15.2 40.75,12.7 ; 40.8,6.4 cw(c40.8,6.9) 40.8,7.4 42,7.4 cw(c42,6.9) 42,6.4 40.8,6.4 ; 50.9,10.55 cw(c50.9,11.05) 50.9,11.55 51.9,11.55 cw(c51.9,11.05) 51.9,10.55 50.9,10.55 ; 66.9,10.55 cw(c66.9,11.05) 66.9,11.55 67.9,11.55 cw(c67.9,11.05) 67.9,10.55 66.9,10.55 ; 76.8,6.4 cw(c76.8,6.9) 76.8,7.4 78,7.4 cw(c78,6.9) 78,6.4 76.8,6.4 ; 77.05,12.7 ccw(c77.55,12.7) 78.05,12.7 78.05,15.2 ccw(c77.55,15.2) 77.05,15.2 77.05,12.7
  lines w0.2: 0,0 0,100 100,100 100,0 0,0
M19 AssemblySMDTop:
  text "Assembly drawing SMD [TOP]" at 17.4,-9.55 h5
M20 AssemblySMDBot:
  text "Assembly drawing SMD [BOT]" at 87.3,-9.5 h5
M21 AssemblyTHTTop:
  text "Assembly drawing THT [TOP]" at 16.9,-15 h5

## Dimensions
100,0 to 100,100 on M10 Dimensions
0,0 to 100,0 on M10 Dimensions

## Text inside footprints (layer, text, board x,y; h text height)
CMP1: L1 "1" at 89.75,14.3 h1.5; L3 "3" at 94.7,14.3 h1.5; L2 "2" at 92.1,14.3 h1.5; L4 "4" at 97.3,14.3 h1.5
CMP2: Silkscreen [TOP] "SILKSCREEN (TOP)" at 131,27.8 h1; L1 "LAYER L1 (TOP)" at 131,9.8 h1; L3 "LAYER L3" at 131,3.8 h1; L2 "LAYER L2" at 131,6.8 h1; L4 "LAYER L4 (BOT)" at 131,0.8 h1; Silkscreen [BOT] "SILKSCREEN (BOT)" at 131,24.8 h1; Solder [BOT] "SOLDERMASK (BOT)" at 131,18.8 h1; Solder [TOP] "SOLDERMASK (TOP)" at 131,21.8 h1; Top Paste "PASTEMASK (TOP)" at 131,15.8 h1; Bottom Paste "PASTEMASK (BOT)" at 131,12.8 h1
CMP3: M02 PanelOutline "(M2) Panel Outline" at 131,33.8 h1; M03 V-Cut "(M3) V-Cut" at 131,36.8 h1; M01 BoardOutline "(M1) Board Outline" at 131,30.8 h1; M04 MillingNonPlated "(M4) Milling Non-Plated" at 131,39.8 h1; M05 MillingPlated "(M5) Milling Plated" at 131,42.8 h1; M06 Slots "(M6) Slots" at 131,45.8 h1; M07 PeelableMask "(M7) Peelable Mask" at 131,48.8 h1; M08 CarbonInk "(M8) Carbon Ink" at 131,51.8 h1
LCD1: M18 3DBodyBot "PCB EDGE" at 53.4,-2.785 h1.5; M18 3DBodyBot "BOTTOM CONTACTS" at 51.5,35.215 h1; M18 3DBodyBot "20" at 54.5,31.015 h1.5; M18 3DBodyBot "1" at 63.2,31.015 h1.5; M17 3DBodyTop "PCB EDGE" at 53.4,-2.785 h1.5
LCD2: M18 3DBodyBot "10" at 61.5,23.1 h1.5; M18 3DBodyBot "TOP CONTACTS" at 53.3,27.1 h1; M18 3DBodyBot "PCB EDGE" at 53.4,-2.7 h1.5; M18 3DBodyBot "1" at 54.4,23.1 h1.5; M17 3DBodyTop "PCB EDGE" at 53.4,-2.7 h1.5
MOD2: M18 3DBodyBot "Host board edge" at 42.85,101.6 h1